# Altium PCB Copy of GameBoard_V1I1_083018.PcbDoc (part 19 of 21)
Units mil, origin at the board's own origin, x right, y up, seen from the top; angles counter-clockwise.
Board outline 7165.35 x 2763.78 mil, 12 copper layers (L1, L2, L3, L4, L5 (PWR), L6 (PWR), L7 (PWR), L8 (PWR), L9, L10, L11, L12), stack 61.575 mil thick; 1542 components, 1068 nets, 5447 pads, 3797 vias.
Unrouted connection lines stored in the file: 105.
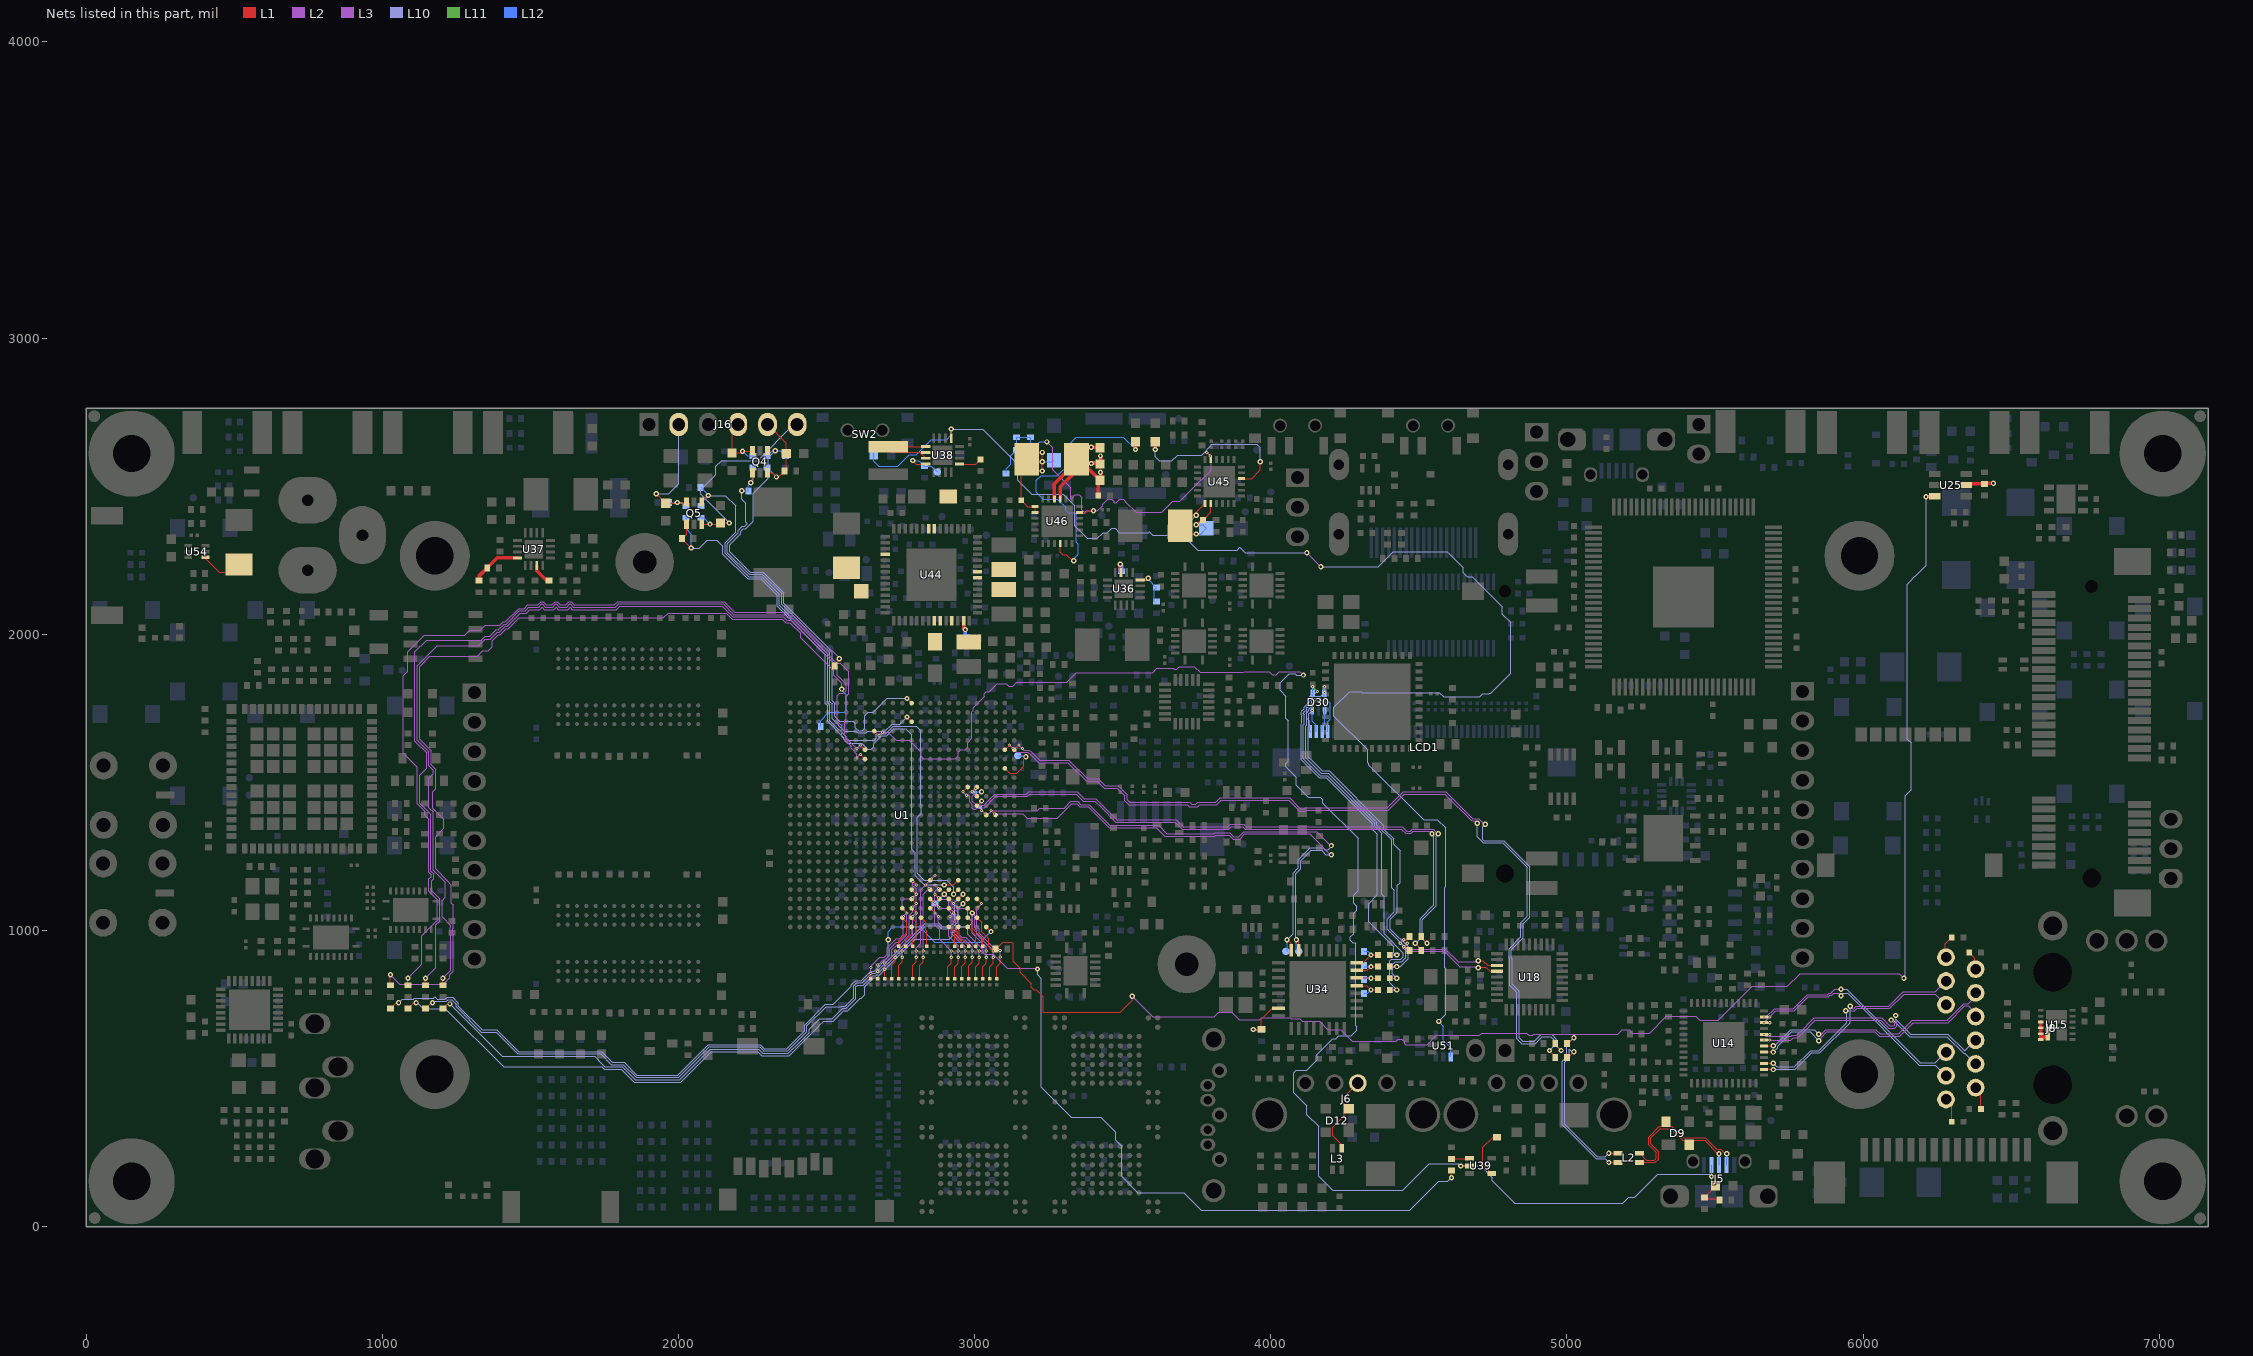
[diagram p29: the nets of this part, all layers, seen from the top]

## Via types
v1: diameter 17.72, hole 7.87, L1 to L12, 1936 vias
v2: diameter 17.72, hole 7.87, L1 to L12, tented both sides, 999 vias
v3: diameter 10.63, hole 3.94, L1 to L2, 337 vias
v4: diameter 10.63, hole 3.94, L2 to L3, 335 vias
v5: diameter 10.63, hole 3.94, L10 to L11, 96 vias
v6: diameter 10.63, hole 3.94, L11 to L12, 94 vias

## Nets (pads, with @x,y where several pads share a name; then routed paths per layer and width w, separated by ;. In a path a pad name is that pad's centre, name@x,y a point inside that pad or via, vN(x,y) a via of type N, cw(c..) or ccw(c..) an arc to the next point about the centre after c; other vN are vias at no path point) (continued)
SRC_BOOT_CFG_08: R650.1 U1.L24 | length 104
  L1 w3.66: U1.L24@2818.9,1043.31 2834.65,1027.56 2834.65,1000 2838.58,996.06 R650.1@2838.58,947.44
SRC_BOOT_CFG_09: R651.1 U1.M21 | length 401
  L1 w3.66: U1.M21@2787.4,1137.8 v3(2803.15,1122.05)
  L1 w3.94: R651.1@2673.23,837.2 v3(2673.23,862.2)
  L3 w3.94: v4(2673.23,883.27) 2691.54,901.57 2698.9,901.57 2713.19,915.86 2713.19,938.42 2734.75,959.98 2745.89,959.98 2771.65,985.75 2771.65,1059.06 2756.5,1074.21 2756.5,1085.35 2755.91,1085.94 2755.91,1102.36 2760.83,1107.28 2788.39,1107.28 v4(2791.34,1110.24)
  L2 w3.94: v3(2673.23,862.2) v4(2673.23,883.27) ; v4(2791.34,1110.24) v3(2803.15,1122.05)
SRC_BOOT_CFG_10: R652.1 U1.M22 | length 327.8
  L1 w3.66: U1.M22@2787.4,1106.3 v3(2803.15,1090.55)
  L1 w3.94: R652.1@2696.85,837.2 v3(2696.85,868.8)
  L3 w3.94: v4(2696.85,889.76) 2700.79,893.7 2702.16,893.7 2721.06,912.6 2721.06,924.02 2721.98,924.94 2721.06,925.86 2721.06,935.16 2738.01,952.11 2749.15,952.11 2780.12,983.08 2780.12,1051.89 2786.69,1058.46 2786.81,1058.46 2791.34,1062.99 v4(2791.34,1078.74)
  L2 w3.94: v3(2696.85,868.8) v4(2696.85,889.76) ; v4(2791.34,1078.74) v3(2803.15,1090.55)
SRC_BOOT_CFG_11: R653.1 U1.M20 | length 399.6
  L1 w3.66: U1.M20@2787.4,1169.29 v3(2803.15,1153.54)
  L1 w3.94: R653.1@2744.09,837.2 2744.09,881.89 2755.91,893.7 v3(2755.91,909.45)
  L3 w3.94: v4(2755.91,930.51) 2761.22,930.51 2803.15,972.44 2803.15,1090.55 2802.56,1091.14 2802.56,1140.35 2791.34,1151.57 v4(2791.34,1165.35)
  L2 w3.94: v3(2755.91,909.45) v4(2755.91,930.51) ; v4(2791.34,1165.35) v3(2803.15,1153.54)
SRC_BOOT_CFG_12: R654.1 U1.M24 | length 107.3
  L1 w3.66: U1.M24@2787.4,1043.31 2803.15,1027.56 2803.15,976.38 2791.34,964.57 R654.1@2791.34,947.44
SRC_BOOT_CFG_13: R655.1 U1.M23 | length 282.1
  L1 w3.66: U1.M23@2787.4,1074.8 v3(2803.15,1059.06)
  L1 w3.94: R655.1@2720.47,837.2 2720.47,881.89 2732.28,893.7 v3(2732.28,909.45)
  L3 w3.94: v4(2732.28,930.51) 2738.69,930.51 2791.34,983.16 v4(2791.34,1047.24)
  L2 w3.94: v3(2732.28,909.45) v4(2732.28,930.51) ; v4(2791.34,1047.24) v3(2803.15,1059.06)
SRC_BOOT_CFG_14: R656.1 U1.N23 | length 306.9
  L1 w3.66: U1.N23@2755.91,1074.8 v3(2771.65,1059.06)
  L1 w3.94: R656.1@2649.61,837.2 v3(2649.61,854.33)
  L3 w3.94: v4@2649.61,878.57 2680.48,909.45 2695.64,909.45 2705.32,919.12 2705.32,941.68 2735.55,971.92 2746.69,971.92 2759.84,985.07 v4(2759.84,1047.24)
  L2 w3.94: v3(2649.61,854.33) v4(2649.61,875.39) ; v4(2759.84,1047.24) v3(2771.65,1059.06)
SRC_BOOT_CFG_15: R657.1 U1.N24 | length 113.8
  L1 w3.94: R657.1@2744.09,947.44 2744.09,964.57 2771.65,992.13 2771.65,1027.56 U1.N24@2755.91,1043.31
SRC_BOOT_CFG_16: R658.1 U1.H25 | length 72.5
  L1 w3.66: U1.H25@2913.39,1011.81 2933.07,992.13 R658.1@2933.07,947.44
SRC_BOOT_CFG_17: R661.1 U1.G24 | length 113.8
  L1 w3.94: U1.G24@2944.88,1043.31 2929.13,1027.56 2929.13,1007 2940.81,995.33 2940.81,975.81 2956.69,959.93 R661.1@2956.69,947.44
SRC_BOOT_CFG_18: R660.1 U1.J22 | length 393.9
  L1 w3.66: v3(2866.14,1122.05) U1.J22@2881.89,1106.3
  L1 w3.94: R660.1@3003.94,837.2 3003.94,877.28 3015.75,889.09 v3(3015.75,909.45)
  L3 w3.94: v4(2877.95,1110.24) 2882.87,1105.31 2903.75,1105.31 2912.4,1096.67 2912.4,1079.17 2936.42,1055.15 2936.42,996.65 2956.56,976.52 2969.74,976.52 v4(3015.75,930.51)
  L2 w3.94: v3(2866.14,1122.05) v4(2877.95,1110.24) ; v3(3015.75,909.45) v4(3015.75,930.51)
SRC_BOOT_CFG_19: R659.1 U1.G25 | length 79
  L1 w3.94: U1.G25@2944.88,1011.81 2944.88,1002.39 2948.68,998.59 2948.68,979.07 R659.1@2980.32,947.44
SRC_BOOT_CFG_20: R662.1 U1.H22 | length 340
  L1 w3.66: U1.H22@2913.39,1106.3 v3(2929.13,1090.55)
  L1 w3.94: R662.1@3027.56,837.2 3027.56,877.95 3039.37,889.76 v3(3039.37,909.45)
  L3 w3.94: v4(2940.95,1078.74) 2943.9,1075.79 2967.52,1075.79 2977.36,1065.94 2977.36,1044.29 2992.13,1029.53 2992.13,991.28 3039.37,944.04 v4(3039.37,930.51)
  L2 w3.94: v3(2929.13,1090.55) v4(2940.95,1078.74) ; v3(3039.37,909.45) v4(3039.37,930.51)
SRC_BOOT_CFG_21: R663.1 U1.H23 | length 276.6
  L1 w3.66: U1.H23@2913.39,1074.8 v3(2929.13,1059.06)
  L1 w3.94: R663.1@2956.69,837.2 2956.69,879.3 2968.5,891.11 v3(2968.5,909.45)
  L3 w3.94: v4(2917.32,1047.24) 2920.67,1043.9 2920.67,990.13 2950.03,960.77 2952.62,960.77 2968.5,944.88 v4(2968.5,930.51)
  L2 w3.94: v4(2917.32,1047.24) v3(2929.13,1059.06) ; v3(2968.5,909.45) v4(2968.5,930.51)
SRC_BOOT_CFG_22: R664.1 U1.F24 | length 117.1
  L1 w3.66: U1.F24@2976.38,1043.31 2992.13,1027.56 2992.13,1007.87 3027.56,972.44 R664.1@3027.56,947.44
SRC_BOOT_CFG_23: R665.1 U1.J21 | length 376.1
  L1 w3.66: v3(2866.14,1153.54) U1.J21@2881.89,1137.8
  L1 w3.94: R665.1@2909.45,837.2 2909.45,877.95 2921.26,889.76 v3(2921.26,909.45)
  L3 w3.94: v4(2877.95,1141.73) 2866.14,1129.92 2866.14,1018.18 2881.89,1002.43 2881.89,969.88 v4(2921.26,930.51)
  L2 w3.94: v3(2866.14,1153.54) v4(2877.95,1141.73) ; v3(2921.26,909.45) v4(2921.26,930.51)
SRC_BOOT_CFG_24: R666.1 U1.F25 | length 75.8
  L1 w3.66: U1.F25@2976.38,1011.81 3003.94,984.25 R666.1@3003.94,947.44
SRC_BOOT_CFG_25: R667.1 U1.M25 | length 72.5
  L1 w3.66: R667.1@2767.72,947.44 2767.72,968.5 2787.4,988.19 U1.M25@2787.4,1011.81
SRC_BOOT_CFG_26: R668.1 U1.K22 | length 354.3
  L1 w3.66: U1.K22@2850.39,1106.3 v3(2866.14,1090.55)
  L1 w3.94: R668.1@2980.32,837.2 2980.32,880.65 2992.13,892.47 v3(2992.13,909.45)
  L3 w3.94: v4(2877.95,1078.74) 2881.89,1074.8 2905.63,1074.8 2928.54,1051.89 2928.54,993.39 2953.29,968.64 2966.48,968.64 2992.13,943 v4(2992.13,930.51)
  L2 w3.94: v3(2866.14,1090.55) v4(2877.95,1078.74) ; v3(2992.13,909.45) v4(2992.13,930.51)
SRC_BOOT_CFG_27: R669.1 U1.K21 | length 356.5
  L1 w3.66: v3(2834.65,1153.54) U1.K21@2850.39,1137.8
  L1 w3.94: R669.1@2814.96,837.2 2814.96,881.89 2826.77,893.7 v3(2826.77,909.45)
  L3 w3.94: v4(2826.77,930.51) 2826.77,1122.05 v4(2846.46,1141.73)
  L2 w3.94: v3(2826.77,909.45) v4(2826.77,930.51) ; v3(2834.65,1153.54) v4(2846.46,1141.73)
SRC_BOOT_CFG_28: R670.1 U1.K23 | length 289.2
  L1 w3.66: U1.K23@2850.39,1074.8 v3(2866.14,1059.06)
  L1 w3.94: R670.1@2933.07,837.2 2933.07,877.95 2944.88,889.76 v3(2944.88,909.45)
  L3 w3.94: v4(2877.95,1047.24) 2877.95,1026.88 2882.87,1021.96 2882.87,1021.44 2891.52,1012.8 2904.53,1012.8 2912.8,1004.53 2912.8,980.91 2944.88,948.82 v4(2944.88,930.51)
  L2 w3.94: v3(2866.14,1059.06) v4(2877.95,1047.24) ; v3(2944.88,909.45) v4(2944.88,930.51)
SRC_BOOT_CFG_29: R671.1 U1.K20 | length 401.1
  L1 w3.66: U1.K20@2850.39,1169.29 v3(2866.14,1185.04)
  L1 w3.94: R671.1@2791.34,837.2 2791.34,881.89 2803.15,893.7 v3(2803.15,909.45)
  L3 w3.94: v4(2803.15,930.51) 2803.15,940.94 2818.9,956.69 2818.9,1137.8 v4(2854.33,1173.23)
  L2 w3.94: v3(2803.15,909.45) v4(2803.15,930.51) ; v4(2854.33,1173.23) v3(2866.14,1185.04)
SRC_BOOT_CFG_30: R672.1 U1.E22 | length 326.5
  L1 w3.66: U1.E22@3007.88,1106.3 v3(3023.62,1090.55)
  L1 w3.94: R672.1@3074.8,838.58 3074.8,877.95 3086.61,889.76 v3(3086.61,910.83)
  L3 w3.66: 3007.87,1039.37 3007.87,1074.8 v4(3011.81,1078.74)
  L3 w3.94: 3007.87,1039.37 3007.87,1011.81 3015.89,1003.8 3015.89,989.79 3060.52,945.16 3074.53,945.16 3086.61,933.07 v4(3086.61,931.89)
  L2 w3.94: v4(3011.81,1078.74) v3(3023.62,1090.55) ; v3(3086.61,910.83) v4(3086.61,931.89)
SS_1V375: R302.2 U36.7 | length 53.2
  L1 w11.81: v1(3492.13,2236.22) 3492.13,2211.02 U36.7@3494.09,2209.05
  L12 w11.81: v1(3492.13,2236.22) 3496.06,2232.28 R302.2@3496.06,2212.6
SS_3V3_HDR: R314.2 U37.7 | length 72.5
  L1 w11.81: U37.7@1521.65,2231.89 1521.65,2214.57 1555.12,2181.1 R314.2@1562.99,2181.1
Status1: D50.1 U45.4 | length 590.6
  L1 w3.94: U45.4@3901.57,2525.59 3935.04,2525.59 3964.57,2555.12 v1(3964.57,2582.68)
  L1 w11.81: v1(3610.24,2624.02) D50.1@3610.24,2649.61
  L10 w3.94: v1(3610.24,2624.02) 3610.24,2599.62 3624.23,2585.63 3665.56,2585.63 3685.25,2605.31 3766.73,2605.31 3799.21,2637.8 3799.21,2641.73 3952.76,2641.73 3964.57,2629.92 v1(3964.57,2582.68)
Status2: D49.1 U46.4 | length 944.7
  L1 w3.94: U46.4@3289.37,2307.09 3288.39,2306.1 3288.39,2277.35 3297.03,2268.7 3310.04,2268.7 3330.71,2248.03 v1(3334.65,2248.03)
  L1 w11.81: v1(3543.31,2624.02) D49.1@3543.31,2649.61
  L12 w3.94: v1(3334.65,2248.03) 3330.71,2251.97 3349.41,2270.67 3349.41,2304.13 3342.52,2311.02 3342.52,2405.51 3337.6,2410.43 3316.72,2410.43 3308.07,2419.08 3308.07,2428.15 3279.53,2456.69 3232.28,2456.69 3208.66,2480.31 3208.66,2519.69 3224.41,2535.43 3279.53,2535.43 3318.9,2574.8 3318.9,2641.73 3342.52,2665.35 3501.97,2665.35 v1(3543.31,2624.02)
STBY_OR_USER_LED_3: D23.1 R286.1 U34.7 | length 163.3
  L1 w3.66: v1(3940.94,665.35) 3967.75,665.35 D23.1@3968.5,666.11 3968.5,700.79 4004.92,737.2 U34.7@4026.57,737.2
  L12 w3.66: v1(3940.94,665.35) R286.1@3968.5,665.35
SW1: C480.2 D46.2 D48.1 L17.1 U45.19 U45.20 | length 452
  L1 w3.94: v1(3748.03,2338.58) 3721.95,2338.58 L17.1@3694.39,2366.14 3702.76,2366.14 U45.19@3777.56,2440.94 ; v1(3748.03,2370.08) 3763.78,2385.83 C480.2@3771.65,2385.83 3797.24,2411.42 U45.20@3797.24,2440.94
  L12 w3.94: D48.1@3676.18,2346.46 3692.91,2346.46 v1(3748.03,2401.57) ; v1(3748.03,2338.58) 3762.95,2338.58 D46.2@3782.63,2358.27 3770.82,2370.08 v1(3748.03,2370.08)
SW1CFB: R431.2 U44.13 | length 62.8
  L1 w11.81: U44.13@2962.6,2045.28 2962.6,2021.65 v2(2968.5,2015.75)
  L12 w11.81: v2(2968.5,2015.75) 2968.5,1996.06 R431.2@2976.38,1988.19
SW1CLX: L13.2 U44.11
SW1LX: L11.1 U44.8 U44.9
SW2: C492.2 D52.1 L18.1 U46.19 U46.20 | length 381.6
  L1 w3.94: U46.20@3204.72,2411.42 U46.19@3204.72,2431.1 3179.13,2431.1 C492.2@3157.48,2452.76 3157.48,2572.34 L18.1@3175.69,2590.55 3183.56,2582.68 v1(3228.35,2582.68) ; v1(3228.35,2551.18) v1(3228.35,2582.68) ; v1(3228.35,2614.17) v1(3228.35,2582.68)
  L12 w3.94: v1(3228.35,2582.68) 3262.8,2582.68 D52.1@3267.72,2587.6
SW2LX: L15.1 U44.22
SW3LX: L12.1 U44.35 U44.36
SW4LX: L14.1 U44.21
SW_1V8WIFI: L19.1 U54.4 | length 148.4
  L1 w3.94: U54.4@403.15,2259.84 403.15,2254.33 448.82,2208.66 488.19,2208.66 L19.1@515.75,2236.22
SW_EP: U15.3 U15.4 U15.5 U15.6 U15.14 | length 90.8
  L1 w11.81: U15.3@6600,690.94 U15.4@6600,671.26 U15.5@6600,651.57 U15.6@6600,631.89 6602.76,631.89 U15.14@6623.23,652.36
SWBSTLX: D45.2 L16.2 U44.46
SYNC_1V375: R295.1 R298.2 U36.4 | length 123
  L1 w3.94: U36.4@3559.45,2183.07 3580.71,2183.07 v1(3586.61,2188.98)
  L12 w3.94: v1(3586.61,2188.98) 3586.61,2185.04 R298.2@3614.17,2157.48 3606.3,2149.61 R295.1@3606.3,2110.24
SYNC_3V3_HDR: R306.1 R309.2 U37.4 | length 170.6
  L1 w11.81: R306.1@1326.77,2181.1 1326.77,2196.85 R309.2@1354.33,2224.41 1387.8,2257.87 U37.4@1456.3,2257.87
SYS2: C493.1 C494.1 C495.1 C496.1 L18.2 TP51.1 U46.15 U46.16 | length 683.6
  L1 w11.81: U46.16@3269.69,2456.69 3269.69,2508.37 L18.2@3344,2582.68 ; U46.15@3289.37,2456.69 3289.37,2498.03 3344,2552.66 L18.2@3344,2582.68 ; L18.2@3366.14,2578.74 3368.11,2576.77 v1(3393.7,2576.77) 3421.26,2576.77 C494.1@3423.23,2574.8 3425.2,2576.77 v1(3425.2,2602.36) ; L18.2@3366.14,2633.86 3368.11,2631.89 v1(3393.7,2631.89) 3421.26,2631.89 C495.1@3423.23,2629.92 3425.2,2631.89 C495.1@3427.17,2629.92 ; C496.1@3417.32,2468.5 3417.32,2513.78 C493.1@3423.23,2519.69 ; v1(3425.2,2547.24) 3425.2,2521.65 C493.1@3423.23,2519.69 ; L18.2@3344,2582.68 L18.2@3344,2590.55 3352.36,2590.55 C493.1@3423.23,2519.69
  L12 w11.81: v1(3393.7,2576.77) 3419.29,2576.77 TP51.1@3421.26,2574.8
SYS_ENABLE: SW2.2 U38.13 U51.1 | length 4961.3
  L1 w3.94: U38.13@2921.26,2661.42 v1(2921.26,2692.91)
  L3 w3.94: v1(4122.05,2275.59) v1(4169.29,2228.35)
  L10 w3.94: v1(2921.26,2692.91) 3027.56,2692.91 3145.67,2574.8 3145.67,2519.68 3192.91,2472.44 3299.21,2472.44 3337.6,2434.06 3337.6,2365.93 3379.71,2323.82 3414.37,2323.82 3434.06,2343.5 3448.61,2343.5 3462.39,2357.28 3474.62,2357.28 3488.4,2343.5 3587.6,2343.5 3590.55,2346.46 3602.36,2334.65 3702.45,2334.65 3752.64,2284.45 3886.14,2284.45 3895.33,2293.64 3913.39,2275.59 v1(4122.05,2275.59) ; v1(4169.29,2228.35) 4362.88,2228.35 4414.06,2279.53 4595.16,2279.53 4650.59,2224.1 4650.59,2207.16 4663.85,2193.9 4680.79,2193.9 4782.48,2092.21 4782.48,2068.43 4809.73,2041.18 4809.73,1868.79 4742.22,1801.28 4740.24,1801.28 4738.17,1799.21 4715.86,1799.21 4705.03,1788.39 4584.44,1788.39 4569.67,1803.15 4442.86,1803.15 4442.18,1802.47 4309.2,1802.47 4305.18,1806.5 4266.21,1806.5 4213.19,1753.47 4213.19,1723.82 4326.77,1610.24 4326.77,1566.15 4331.69,1561.23 4331.69,1558.07 4515.75,1374.02 4562.99,1374.02 4590.55,1346.46 4590.55,1148.6 4586.89,1144.94 4586.89,873.61 4590.55,869.95 4590.55,716.54 v1(4566.93,692.91)
  L12 w3.94: SW2.2@2659.45,2620.08 2659.45,2584.65 2677.17,2566.93 2740.16,2566.93 2779.53,2606.3 2803.15,2606.3 2854.33,2657.48 2905.51,2657.48 2921.26,2673.23 v1(2921.26,2692.91) ; v1(4566.93,692.91) 4582.68,677.17 4582.68,629.92 4608.27,604.33 U51.1@4608.27,572.83
SYS_PG: R317.1 TP23.1 U38.4 | length 146.8
  L1 w3.94: v1(2791.34,2586.61) 2803.15,2574.8 U38.4@2834.65,2574.8
  L12 w3.94: v1(2791.34,2586.61) 2812.01,2586.61 R317.1@2830.71,2567.91 2854.33,2567.91 TP23.1@2874.02,2548.23
SYS_SS: C356.2 U38.9 | length 77.4
  L1 w3.94: U38.9@2948.82,2574.8 3003.94,2574.8 C356.2@3019.69,2590.55
SYS_SW: L8.1 U38.1 U38.2 U38.3 | length 288
  L1 w3.94: U38.3@2834.65,2594.49 2814.96,2614.17 ; U38.2@2834.65,2614.17 2814.96,2614.17 ; U38.1@2834.65,2633.86 2713.19,2633.86 2708.66,2629.33 2723.82,2614.17 2814.96,2614.17
TAMPER: R80.1 U1.E11 | length 46.6
  L1 w3.94: U1.E11@3007.87,1452.76 v1(3023.62,1468.5)
  L12 w3.94: R80.1@3002.56,1460.63 3010.43,1468.5 v1(3023.62,1468.5)
TCT0: C262.2 J8.12 | length 77
  L1 w3.94: J8.12@6277.8,908.27 6277.8,954.96 C262.2@6299.21,976.38
TCT1: C263.2 J8.6 | length 65
  L1 w3.94: C263.2@6358.27,925.2 6377.8,905.67 J8.6@6377.8,868.27
TCT2: C264.2 J8.1 | length 78.8
  L1 w3.94: J8.1@6377.8,468.27 6397.64,448.43 C264.2@6397.64,397.64
TCT3: C265.2 J8.7 | length 82.8
  L1 w3.94: J8.7@6277.8,428.27 6299.21,406.85 C265.2@6299.21,354.33
TEMP_ADD0: R243.2 R245.2 U25.5 | length 94
  L1 w11.81: U25.5@6348.43,2503.94 6352.36,2507.87 R243.2@6409.45,2507.87 6411.42,2509.84 v2(6439.96,2509.84)
TEMP_ALERT: R48.1 U1.E24 U25.3 | length 5351.4
  L1 w3.66: U1.E24@3007.87,1043.31 3023.62,1027.56 3023.62,996.06 3047.24,972.44 3047.24,944.88 3055.12,937.01 R48.1@3070.87,937.01 3094.49,960.63 3125.98,960.63 3129.92,956.69 3129.92,895.94 3153.54,872.32 3153.54,858.27 3191.79,820.02 3191.79,808.21 3195.02,804.98 3195.3,804.98 3198.68,801.6 3198.68,801.32 3199.67,800.33 3207.54,800.33 3232.28,775.59 3232.28,724.41 3492.13,724.41 3532.62,764.9 v1(3532.62,777.41)
  L1 w11.81: v2(6212.6,2464.57) 6241.14,2464.57 U25.3@6243.11,2466.54
  L3 w3.66: v1(3532.62,777.41) 3601.36,708.66 3810.02,708.66 3824.65,723.29 3868.26,723.29 3893.58,697.97 3962.75,697.97 3969.5,704.72 4065.93,704.72 4068.74,701.91 4097.3,701.91 4106.3,692.91 4165.35,692.91 4192.91,665.35 4236.22,665.35 4275.73,625.85 4424.06,625.85 4430.95,632.74 4443.07,632.74 4451.63,624.17 4451.63,617.69 4455.15,614.17 4527.56,614.17 4559.06,645.67 4704.72,645.67 4712.6,653.54 4865.14,653.54 4871.89,646.79 4884.01,646.79 4886.83,649.61 5172.23,649.61 5186.86,664.23 5209.78,664.23 5220.47,653.54 5279.53,653.54 5335.49,709.51 5435.19,709.51 5447.85,696.85 5511.81,696.85 5625.98,811.02 5744.09,811.02 5787.4,854.33 6122.05,854.33 v1(6137.8,838.58)
  L10 w3.94: v1(6137.8,838.58) 6141.73,842.52 6141.73,1455.51 6162.01,1475.79 6162.01,1633.73 6149.61,1646.13 6149.61,2169.29 6166.34,2186.02 6166.34,2187.22 6174.99,2195.87 6176.18,2195.87 6212.6,2232.28 v2(6212.6,2464.57)
TEST_MODE: R84.2 U1.E12 | length 45
  L1 w3.94: U1.E12@3007.87,1421.26 v1(3023.62,1437.01)
  L12 w3.94: R84.2@3019.69,1415.94 3019.69,1433.07 v1(3023.62,1437.01)
TRD0_N: J8.10 U14.3 | length 764.7
  L1 w3.94: U14.3@5664.96,550.79 v1@5695.87,550.79
  L3 w3.94: v1(5941.38,728.78) 5941.82,728.35 5971.77,728.35 5980.24,736.82 6090.47,736.82 6139.01,785.35 6243.98,785.35 J8.10@6280.04,749.29
  L10 w3.94: v1(5696.85,551.77) 5709.25,539.37 5768.39,539.37 5823.51,594.49 5850.39,594.49 5944.88,688.98 5944.88,725.28 v1(5941.38,728.78)
TRD0_P: J8.11 U14.2 | length 776.4
  L1 w3.94: U14.2@5664.96,531.1 v1@5695.87,531.1
  L3 w3.94: v1(5956.69,744.09) 5964.57,736.22 5968.5,736.22 5976.98,744.69 6087.21,744.69 6135.75,793.23 6243.98,793.23 J8.11@6280.04,829.29
  L10 w3.94: v1(5696.85,530.12) 5698.23,531.5 5771.65,531.5 5826.77,586.61 5853.66,586.61 5956.15,689.1 5956.15,743.55 v1(5956.69,744.09)
TRD1_N: J8.5 U14.6 | length 820.2
  L1 w3.94: U14.6@5664.96,609.84 5695.87,609.84 v1(5696.85,610.83)
  L3 w3.94: v1(5850.39,649.61) 5858.94,649.61 5874.69,665.35 6043.31,665.35 6057.42,651.24 6120.42,651.24 6166.03,696.85 6284.14,696.85 6340.52,753.23 6354.33,753.23 6380.04,778.94 J8.5@6380.04,789.29
  L10 w3.94: v1(5696.85,610.83) 5702.05,610.83 5756.58,665.35 5834.65,665.35 v1(5850.39,649.61)
TRD1_P: J8.4 U14.5 | length 848.5
  L1 w3.94: U14.5@5664.96,590.16 5695.87,590.16 v1(5696.85,589.17)
  L3 w3.94: v1(5850.39,627.95) 5850.39,628.73 5866.14,644.48 5866.14,645.67 5877.95,657.48 6040.05,657.48 6054.16,643.36 6123.68,643.36 6169.29,688.98 6287.4,688.98 6343.78,745.35 6354.33,745.35 6380.04,719.65 J8.4@6380.04,709.29
  L10 w3.94: v1(5696.85,589.17) 5696.85,589.95 5711.61,604.71 5711.61,609.25 5759.84,657.48 5820.87,657.48 v1(5850.39,627.95)
  L12 w3.94: v1(5696.85,589.17) v1@5696.85,596.06
TRD2_N: J8.2 U14.8 | length 889
  L1 w3.94: v4(5664.96,649.21) v3(5684.65,649.21)
  L3 w3.94: v4(5664.96,649.21) 5670.81,643.36 5758.21,643.36 5760.52,645.67 5776.27,645.67 5800.87,670.28 5801.39,670.28 5810.04,678.92 5810.04,679.44 5835.32,704.72 6062.99,704.72 6089.88,677.84 6103.71,677.84 6106.3,680.43 6106.3,685.91 v1(6094.92,697.29)
  L10 w3.94: v1(6094.92,697.29) 6102.6,697.29 6158.16,641.73 6282.88,641.73 6339.26,585.35 6343.98,585.35 J8.2@6380.04,549.29
  L2 w3.94: v4(5664.96,649.21) v3(5684.65,649.21)
TRD2_P: J8.3 U14.7 | length 909.5
  L1 w3.94: v4(5664.96,629.53) v3(5684.65,629.53)
  L3 w3.94: v4(5664.96,629.53) 5755.51,629.53 5763.78,637.8 5779.53,637.8 5804.13,662.4 5804.65,662.4 5817.91,675.66 5817.91,676.18 5838.58,696.85 6059.73,696.85 6086.61,669.97 6106.97,669.97 6114.17,677.17 6114.17,689.17 6109.69,693.66 6109.69,712.05 v1(6110.24,712.6)
  L10 w3.94: v1(6110.24,712.6) 6110.24,700.79 6161.42,649.61 6286.14,649.61 6342.52,593.23 6343.98,593.23 J8.3@6380.04,629.29
  L2 w3.94: v4(5664.96,629.53) v3(5684.65,629.53)
TRD3_N: J8.9 U14.11 | length 810.6
  L1 w3.94: v4(5664.96,708.27) v3(5684.65,708.27)
  L3 w3.94: v4(5664.96,708.27) 5673.51,708.27 5701.46,736.22 5764.46,736.22 5811.7,783.46 5879.98,783.46 5884.9,788.39 5891.42,788.39 5904.22,801.18 v1(5925.2,801.18)
  L10 w3.94: v1(5925.2,801.18) 5944.96,801.18 6192.91,553.23 6243.98,553.23 J8.9@6280.04,589.29
  L2 w3.94: v4(5664.96,708.27) v3(5684.65,708.27)
TRD3_P: J8.8 U14.10 | length 817.1
  L1 w3.94: v4(5664.96,688.58) v3(5684.65,688.58)
  L3 w3.94: v4(5664.96,688.58) 5704.72,728.35 5767.72,728.35 5814.96,775.59 5883.24,775.59 5888.16,780.51 5894.69,780.51 5901.57,787.4 5917.32,787.4 v1(5925.2,779.53)
  L10 w3.94: v1(5925.2,779.53) 5933.07,787.4 5947.6,787.4 6189.65,545.35 6243.98,545.35 J8.8@6280.04,509.29
  L2 w3.94: v4(5664.96,688.58) v3(5684.65,688.58)
TS: R477.1 R478.1 R483.2 R484.2 R485.2 U45.11 U46.11 | length 1303.8
  L1 w3.94: U46.11@3354.33,2411.42 3356.3,2409.45 3374.02,2409.45 3381.89,2417.32 v1(3401.57,2417.32) ; v3(3784.06,2614.17) 3797.24,2600.99 U45.11@3797.24,2590.55
  L3 w3.94: v1(3244.09,2649.61) 3263.78,2629.92 3263.78,2555.12 3323.82,2495.08 3323.82,2458.45 3327.34,2458.45 3340.34,2471.46 3352.57,2471.46 3361.22,2462.81 3361.22,2421.05 3370.85,2411.42 3376.76,2417.32 v1(3401.57,2417.32) 3414.58,2417.32 3432.09,2434.83 3432.09,2438.77 3449.03,2455.71 3462.81,2455.71 3471.46,2447.06 3471.46,2444.67 3478.91,2444.67 3489.95,2455.71 3502.18,2455.71 3510.83,2447.06 3510.83,2446.64 3546.05,2411.42 3631.89,2411.42 3669.29,2448.82 3692.91,2448.82 3765.75,2521.65 3766.94,2521.65 3799.21,2553.92 3799.21,2599.02 v4(3795.87,2602.36)
  L2 w3.94: v3(3784.06,2614.17) v4(3795.87,2602.36)
  L12 w3.94: R485.2@3106.3,2543.31 3106.3,2559.06 3122.05,2574.8 3122.05,2602.36 R477.1@3141.73,2622.05 R484.2@3141.73,2665.35 R483.2@3188.98,2665.35 R478.1@3188.98,2622.05 3192.91,2622.05 3220.47,2649.61 v1(3244.09,2649.61)
TS_X+: C333.1 D30.5 FB38.2 LCD1.37 | length 1480.8
  L1 w3.94: FB38.2@4401.57,799.21 v1(4425.2,799.21)
  L10 w3.94: v5(4181.1,1803.15) 4168.7,1790.75 4144.96,1790.75 4137.8,1783.58 4137.8,1767.16 4121.14,1750.51 4121.14,1745.77 4113.19,1737.82 4113.19,1736.07 4110.24,1733.12 4110.24,1731.45 4113.19,1728.5 4113.19,1696.7 4110.24,1693.75 4110.24,1580.09 4167.69,1522.64 4190.48,1522.64 4350.39,1362.72 4350.39,1351.74 4374.02,1328.12 4374.02,1122.42 4382.87,1113.56 4382.87,1002.95 4383.08,1002.74 4383.08,988.19 4447.83,923.44 4447.83,911.21 4439.19,902.56 4406.5,902.56 4401.57,897.64 4401.57,822.83 v1(4425.2,799.21)